# Altium PCB PCB_Banco.PcbDoc (part 2 of 2)
Units mm, origin at the board's own origin, x right, y up, seen from the top; angles counter-clockwise.
Board outline 80 x 80 mm, 4 copper layers (Top Layer, GND, Power, Bottom Layer), stack 1.512 mm thick; 168 components, 120 nets, 536 pads, 188 vias.
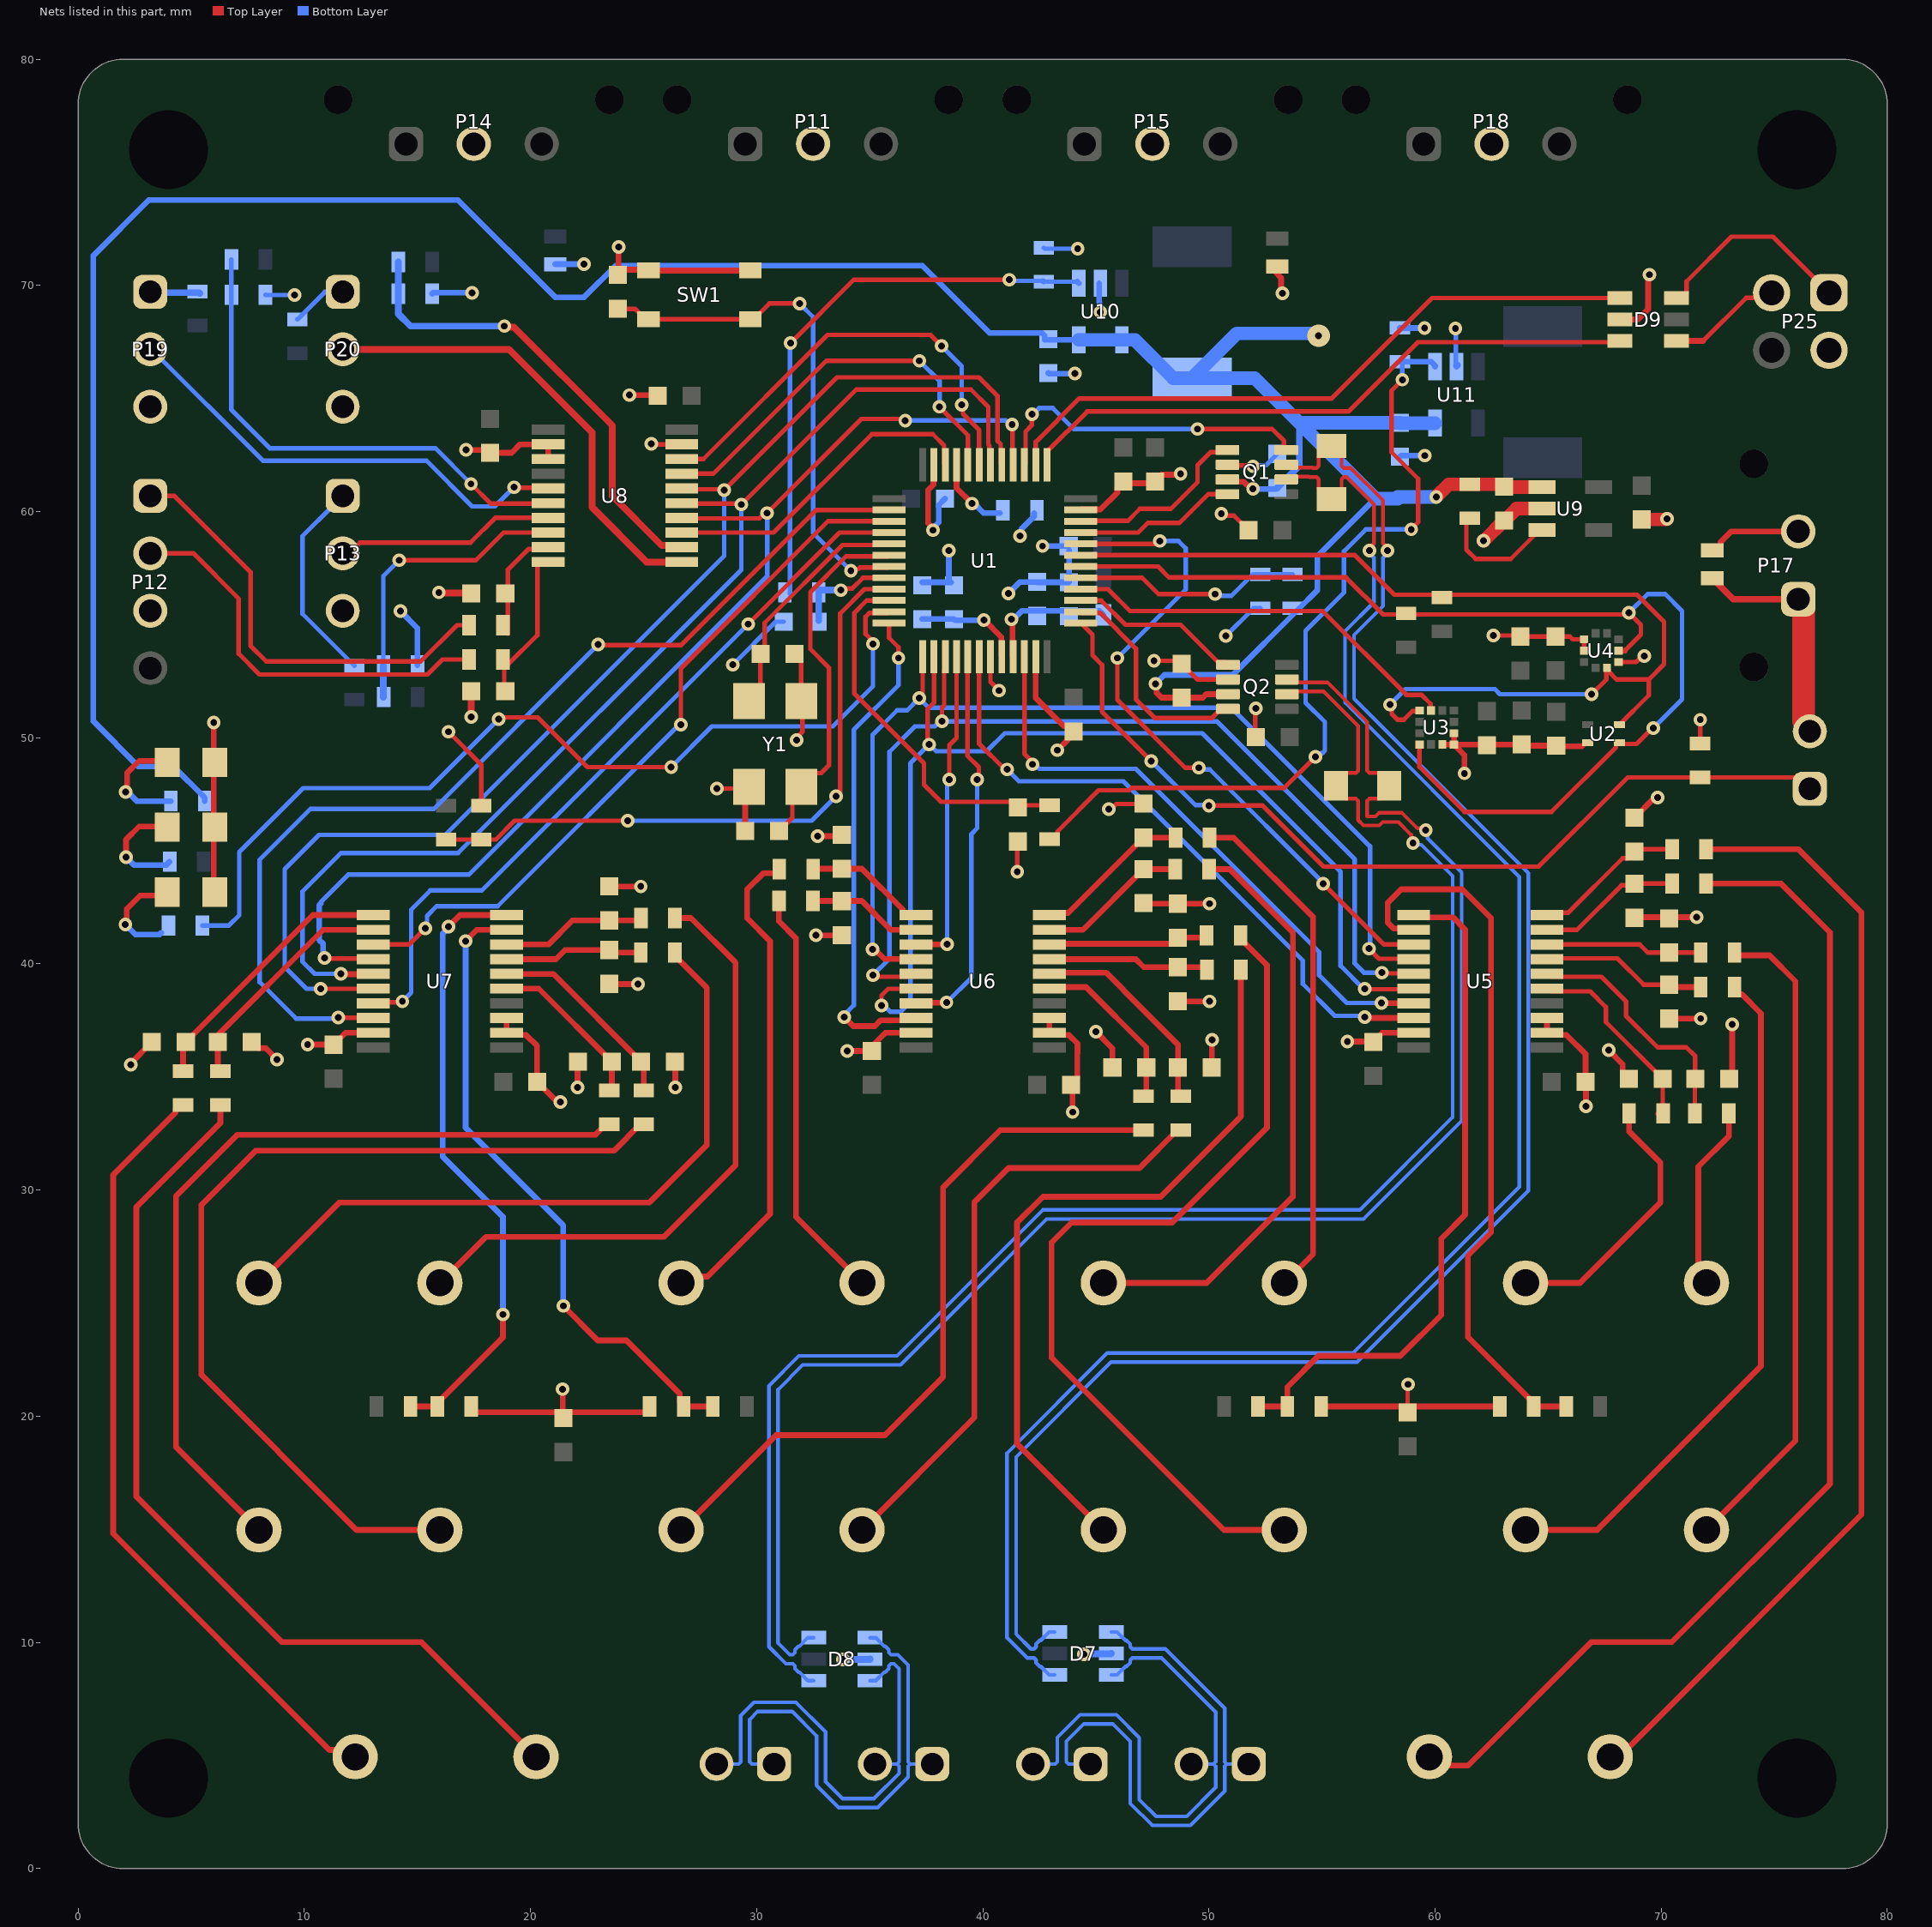
[diagram p4: the nets of this part, all layers, seen from the top]

## Via types
v1: diameter 0.6, hole 0.3, Top Layer to Bottom Layer, 186 vias
v2: diameter 1, hole 0.3, Top Layer to Bottom Layer, 2 vias

## Nets (pads, with @x,y where several pads share a name; then routed paths per layer and width w, separated by ;. In a path a pad name is that pad's centre, name@x,y a point inside that pad or via, vN(x,y) a via of type N, cw(c..) or ccw(c..) an arc to the next point about the centre after c; other vN are vias at no path point) (continued)
5V_Current-: C11.1 C13.1 C53.2 C54.2 C56.2 Q1.3 Q2.3 R6.1 R47.1 R48.2 R56.1 U9.1 U10.4 U10.5 U11.5 | length 134.5
  Top Layer w0.254: v1(47.641,52.387) 47.692,52.336 47.692,51.983 47.9,51.775 49.734,51.775 49.884,51.925 Q2.3@50.845,51.925 ; Q1.3@50.82,61.421 50.918,61.323 51.533,61.323 51.856,61 v1(51.95,61)
  Top Layer w0.6: v1(60.05,60.65) 60.606,61.206 62.957,61.206 C53.2@63.057,61.106 ; C53.2@63.157,61.081 U9.1@64.728,61.081
  Bottom Layer w0.254: R6.1@5.6,47.2 5.6,47.35 4.225,48.725 2.675,48.725 0.675,50.725 0.675,71.325 3.125,73.775 16.8,73.775 21.1,69.475 22.375,69.475 23.775,70.875 37.325,70.875 40.302,67.898 42.627,67.898 42.741,67.784 42.741,67.594 U10.5@44.252,67.594 ; v1(47.641,52.387) 48.029,52.775 51.05,52.775 53.925,55.65 54.8,56.525 54.8,58.025 57.35,60.575 ; v1(51.95,61) 52.975,61 C13.1@53.025,61.05
  Bottom Layer w0.3: C13.1@53.025,61.05 53.549,61.574 ; 53.556,61.574 54,62.018 54,63.639 54,63.925
  Bottom Layer w0.6: U10.5@44.252,67.594 U10.4@46.152,67.594 46.725,67.594 48.416,65.903 R56.1@49.266,65.903 ; 54.286,63.639 57.35,60.575 58.35,60.575 ; v2(54.85,67.775) 54.75,67.875 51.238,67.875 R56.1@49.266,65.903 ; 58.346,60.65 v1(60.05,60.65) ; U11.5@60,63.911 58.462,63.911 58.448,63.925 54.286,63.925 54,63.925 52.022,65.903 R56.1@49.266,65.903
+3V3_ASensing: C57.2 R54.1 U1.10 | length 16.5
  Top Layer w0.2: U1.10@35.856,56.072 34.872,56.072 34.325,55.525 34.325,51.95 37.4,48.875 37.4,47.925 38.161,47.164 C57.2@41.55,47.164 ; C57.2@41.55,46.912 41.65,47.012 R54.1@42.958,47.012
+3V3_VSensing: R49.1 R53.2 U1.9 | length 28.8
  Top Layer w0.2: R49.1@16.271,45.5 18.475,45.5 19.304,46.329 v1(24.305,46.329) ; v1(33.515,47.411) 33.7,47.596 33.7,55.5 34.772,56.572 U1.9@35.856,56.572
  Bottom Layer w0.2: v1(24.305,46.329) 32.433,46.329 v1(33.515,47.411)
+5V_ASensing: C55.2 R50.1 U1.8 | length 4.7
  Top Layer w0.2: v1(33.725,56.525) 33.802,56.602 34.236,56.602 34.706,57.072 U1.8@35.856,57.072
  Bottom Layer w0.3: C55.2@32.75,55.175 32.75,56.5 32.775,56.525 v1(33.725,56.525)
+5V_VSensing: R48.1 R52.2 U1.29 | length 10.1
  Top Layer w0.2: U1.29@44.332,57.072 47.053,57.072 47.775,56.35 v1(50.275,56.35)
  Bottom Layer w0.2: v1(50.275,56.35) 50.35,56.275 51,56.275 51.95,57.225 R48.1@53.7,57.225
BOOT0: R1.2 U1.45 | length 3.4
  Top Layer w0.254: U1.45@38.844,62.06 38.844,61.033 v1(39.523,60.354)
  Bottom Layer w0.254: v1(39.523,60.354) 39.616,60.354 40.036,59.934 R1.2@40.769,59.934
C+: C35.1 R29.1 U8.9 | length 5
  Top Layer w0.2: R29.1@19.001,54.6 19.001,57.428 19.919,58.346 20.714,58.346 U8.9@20.789,58.421
C-: C36.1 R32.1 U8.10 | length 7.1
  Top Layer w0.2: R32.1@18.789,53.607 R32.1@18.789,53.457 18.839,53.407 18.839,52.11 C36.1@18.889,52.06 ; R32.1@19.001,53.226 20.31,54.535 20.31,57.696 20.385,57.771 U8.10@20.789,57.771
CAN1_N: D7.4 Q1.6 R2.1 | length 78.4
  Top Layer w0.16: Q1.6@53.42,61.421 53.545,61.546 54.412,61.546 54.433,61.525 54.761,61.525 54.855,61.431 54.855,60.995 55.3,60.55 R2.1@55.425,60.55 ; R2.1@55.425,60.55 55.871,60.995 55.871,61.431 55.965,61.525 56.097,61.525 57.3,60.322 57.3,58.589 57.1,58.389 v1(57.1,58.275)
  Bottom Layer w0.16: D7.4@43.19,8.565 42.94,8.565 42.57,8.935 42.524,8.935 42.36,9.099 42.36,9.221 42.266,9.315 41.968,9.315 41.075,10.208 41.075,18.366 45.509,22.799 56.384,22.799 63.725,30.141 63.725,43.85 56.017,51.558 56.017,54.708 57.3,55.991 57.3,57.961 57.1,58.161 v1(57.1,58.275)
CAN1_P: D7.6 Q1.7 R2.2 | length 78.4
  Top Layer w0.16: Q1.7@53.42,62.071 53.545,61.946 54.578,61.946 54.599,61.925 54.761,61.925 54.855,62.019 54.855,62.455 55.3,62.9 R2.2@55.425,62.9 ; R2.2@55.425,62.9 55.871,62.455 55.871,62.019 55.965,61.925 56.263,61.925 57.7,60.488 57.7,58.589 57.9,58.389 v1(57.9,58.275)
  Bottom Layer w0.16: D7.6@43.19,10.465 42.94,10.465 42.57,10.095 42.524,10.095 42.36,9.931 42.36,9.809 42.266,9.715 42.134,9.715 41.475,10.374 41.475,18.2 45.674,22.399 56.549,22.399 64.125,29.975 64.125,44.016 56.417,51.724 56.417,54.542 57.7,55.825 57.7,57.961 57.9,58.161 v1(57.9,58.275)
CAN1C_N: D7.3 P21.2 P23.2 | length 24
  Bottom Layer w0.16: P21.2@42.23,4.625 43.206,4.625 43.3,4.719 43.3,5.796 44.304,6.8 45.916,6.8 46.925,5.791 46.925,3.05 47.667,2.308 49.017,2.308 50.3,3.591 50.3,4.531 50.206,4.625 ; D7.3@45.69,8.565 45.94,8.565 46.31,8.935 46.356,8.935 46.52,9.099 46.52,9.221 46.614,9.315 47.91,9.315 50.3,6.925 50.3,4.719 50.206,4.625 ; P23.2@49.23,4.625 50.206,4.625
CAN1C_P: D7.1 P21.1 P23.1 | length 24.6
  Bottom Layer w0.16: P21.1@44.77,4.625 43.794,4.625 43.7,4.719 43.7,5.63 44.47,6.4 45.75,6.4 46.525,5.625 46.525,2.884 47.501,1.908 49.183,1.908 50.7,3.425 50.7,4.531 50.794,4.625 ; D7.1@45.69,10.465 45.94,10.465 46.31,10.095 46.356,10.095 46.52,9.931 46.52,9.809 46.614,9.715 48.076,9.715 50.7,7.091 50.7,4.719 50.794,4.625 ; P23.1@51.77,4.625 50.794,4.625
CAN2_N: D8.4 Q2.6 R5.1 | length 74.8
  Top Layer w0.16: Q2.6@53.445,51.925 53.57,52.05 55.075,52.05 56.6,50.525 56.6,48.539 56.506,48.445 56.07,48.445 55.625,48 R5.1@55.625,47.875 55.625,47.75 56.07,47.305 56.506,47.305 56.6,47.211 56.6,46.359 56.834,46.125 57.535,46.125 57.69,46.28 58.378,46.28 58.945,45.713 58.945,45.43 v1(59.025,45.35)
  Bottom Layer w0.16: D8.4@32.522,8.311 32.272,8.311 31.902,8.681 31.856,8.681 31.692,8.845 31.692,8.967 31.598,9.061 31.3,9.061 30.55,9.811 30.55,21.347 31.872,22.669 36.203,22.669 42.659,29.125 56.675,29.125 60.775,33.225 60.775,43.883 59.388,45.27 59.105,45.27 v1(59.025,45.35)
CAN2_P: D8.6 Q2.7 R5.2 | length 74.8
  Top Layer w0.16: Q2.7@53.445,52.575 53.57,52.45 55.241,52.45 57,50.691 57,48.539 57.094,48.445 57.53,48.445 57.975,48 R5.2@57.975,47.875 57.975,47.75 57.53,47.305 57.094,47.305 57,47.211 57,46.525 57.369,46.525 57.524,46.68 58.544,46.68 59.227,45.996 59.51,45.996 v1(59.591,45.916)
  Bottom Layer w0.16: D8.6@32.522,10.211 32.272,10.211 31.902,9.841 31.856,9.841 31.692,9.677 31.692,9.555 31.598,9.461 31.466,9.461 30.95,9.977 30.95,21.181 32.038,22.269 36.369,22.269 42.825,28.725 56.841,28.725 61.175,33.059 61.175,44.049 59.671,45.552 59.671,45.835 v1(59.591,45.916)
CAN2C_N: D8.3 P22.2 P24.2 | length 21.3
  Bottom Layer w0.16: P22.2@28.23,4.625 29.206,4.625 29.3,4.719 29.3,6.766 29.884,7.35 31.741,7.35 33.05,6.041 33.05,3.85 33.8,3.1 35.19,3.1 36.3,4.21 36.3,4.531 36.206,4.625 ; D8.3@35.022,8.311 35.272,8.311 35.642,8.681 35.688,8.681 35.852,8.845 35.852,8.967 35.946,9.061 36.078,9.061 36.3,8.839 36.3,4.719 36.206,4.625 ; P24.2@35.23,4.625 36.206,4.625
CAN2C_P: D8.1 P22.1 P24.1 | length 22
  Bottom Layer w0.16: P22.1@30.77,4.625 29.794,4.625 29.7,4.719 29.7,6.6 30.05,6.95 31.575,6.95 32.65,5.875 32.65,3.684 33.634,2.7 35.356,2.7 36.7,4.044 36.7,4.531 36.794,4.625 ; D8.1@35.022,10.211 35.272,10.211 35.642,9.841 35.688,9.841 35.852,9.677 35.852,9.555 35.946,9.461 36.244,9.461 36.7,9.005 36.7,4.719 36.794,4.625 ; P24.1@37.77,4.625 36.794,4.625
CAN_1_STB: Q1.8 U1.39 | length 14.7
  Top Layer w0.2: U1.39@41.844,62.06 41.894,62.11 41.894,62.815 41.894,63.535 42.168,63.809 42.168,64.293 v1(42.175,64.3) ; v1(49.5,63.65) 52.8,63.65 53.321,63.129 53.321,62.82 Q1.8@53.42,62.721
  Bottom Layer w0.2: v1(42.175,64.3) 42.222,64.3 42.497,64.575 43.1,64.575 44.025,63.65 v1(49.5,63.65)
CS_ADC_1: U1.32 U5.13 | length 30.4
  Top Layer w0.2: U1.32@44.332,58.572 47.589,58.572 47.717,58.7 v1(47.825,58.7) ; v1(45.95,53.525) 45.95,51.675 48.95,48.675 v1(49.55,48.675) ; v1(55.05,43.55) 57.742,40.858 59.088,40.858 U5.13@59.101,40.871
  Bottom Layer w0.2: v1(45.95,53.525) 48.975,56.55 48.975,58.375 48.65,58.7 v1(47.825,58.7) ; v1(49.55,48.675) 49.627,48.598 50.039,48.598 54.973,43.664 54.973,43.627 v1(55.05,43.55)
CS_ADC_2: U1.16 U6.13 | length 14.4
  Top Layer w0.2: v1@38.525,48.226 38.525,49.675 38.844,49.994 U1.16@38.844,53.584
  Top Layer w0.254: U6.13@36.819,40.85 36.835,40.866 38.416,40.866 v1(38.425,40.875)
  Bottom Layer w0.2: v1@38.425,40.938 38.425,47.942 38.448,47.965 38.448,48.083 v1@38.425,48.106
  Bottom Layer w0.254: v1(38.425,40.875) v1@38.425,40.938
  other v1: 38.525,48.15
CS_ADC_3: U1.3 U7.13 | length 32.1
  Top Layer w0.2: U7.13@13.05,40.858 14.633,40.858 v1(15.35,41.575) ; v1(26.65,50.575) 26.65,53.066 33.156,59.572 34.407,59.572 U1.3@35.654,59.572
  Bottom Layer w0.2: v1(15.35,41.575) 15.427,41.652 15.427,42.127 15.85,42.55 18.55,42.55 26.575,50.575 v1(26.65,50.575)
CS_ADC_4: U1.46 U8.13 | length 14.5
  Top Layer w0.2: U8.13@26.689,59.071 30.75,59.071 35.104,63.425 37.791,63.425 38.294,62.922 38.294,62.11 U1.46@38.344,62.06
FDCAN1_RX: Q1.4 U1.33 | length 7.2
  Top Layer w0.2: U1.33@44.332,59.072 46.872,59.072 47.3,59.5 48.7,59.5 49.971,60.771 Q1.4@50.82,60.771
FDCAN1_TX: Q1.1 U1.34 | length 8.2
  Top Layer w0.2: U1.34@44.332,59.572 44.355,59.595 46.42,59.595 46.95,60.125 48.325,60.125 49.5,61.3 49.5,62.05 50.073,62.623 50.722,62.623 Q1.1@50.82,62.721
FDCAN2_RX: Q2.4 U1.26 | length 9.9
  Top Layer w0.2: U1.26@44.332,55.572 44.382,55.522 45.194,55.522 46.775,53.941 46.775,51.7 47.6,50.875 50.145,50.875 50.545,51.275 Q2.4@50.845,51.275
FDCAN2_TX: Q2.1 U1.27 | length 7.7
  Top Layer w0.2: U1.27@44.332,56.072 44.336,56.068 45.239,56.068 46.307,55 48.75,55 50.4,53.35 50.72,53.35 Q2.1@50.845,53.225
G1+: P13.2 U8.7 | length 9.7
  Top Layer w0.2: P13.2@11.7,58.156 11.998,58.156 12.467,58.625 17.35,58.625 18.446,59.721 U8.7@20.789,59.721
G1-: R30.1 R33.2 U8.8 | length 13.4
  Top Layer w0.2: v1(14.2,57.85) 17.591,57.85 18.812,59.071 U8.8@20.789,59.071
  Bottom Layer w0.2: R33.2@13.5,53.189 13.5,57.15 v1(14.2,57.85)
  Bottom Layer w0.3: R30.1@13.5,51.796 R33.2@13.5,53.189
G2+: P19.2 U8.5 | length 20.9
  Top Layer w0.2: v1(19.275,61.075) 19.302,61.048 20.762,61.048 U8.5@20.789,61.021
  Bottom Layer w0.2: P19.2@3.189,67.173 3.252,67.173 8.175,62.25 15.4,62.25 17.425,60.225 18.425,60.225 v1(19.275,61.075)
G2-: R35.1 R39.2 U8.6 | length 22.4
  Top Layer w0.2: v1(17.375,61.225) 18.252,60.348 20.766,60.348 U8.6@20.789,60.371
  Bottom Layer w0.2: R35.1@6.78,71.144 6.78,64.495 8.475,62.8 15.8,62.8 v1(17.375,61.225)
G3+: P20.2 U8.11 | length 20.8
  Top Layer w0.3: P20.2@11.7,67.173 19.052,67.173 22.725,63.5 22.725,60.186 25.14,57.771 U8.11@26.689,57.771
G3-: R37.1 R40.2 U8.12 | length 20.9
  Top Layer w0.3: v1(18.85,68.2) 18.893,68.157 19.268,68.157 23.625,63.8 23.625,60.683 25.812,58.496 26.614,58.496 U8.12@26.689,58.421
  Bottom Layer w0.3: R37.1@14.157,71.031 R40.2@14.157,69.634 14.157,68.743 14.7,68.2 v1(18.85,68.2)
GND: C1.2 C2.2 C3.1 C4.1 C5.1 C6.1 C7.1 C8.1 C9.1 C10.1 C11.2 C12.2 C13.2 C14.2 C15.2 C16.2 C17.2 C18.2 C19.2 C20.1 C21.1 C22.1 C23.1 C24.1 C25.2 C26.2 C27.2 C28.2 C29.2 C30.1 C31.1 C32.1 C33.1 C34.1 C35.2 C36.2 C37.1 C38.2 C39.1 C40.1 C41.1 C42.1 C43.2 C44.1 C45.2 C46.1 C47.2 C48.1 C49.2 C50.1 C51.2 C52.1 C53.1 C54.1 C55.1 C56.1 C57.1 C58.1 C59.1 D1.1 D2.1 D3.1 D4.2 D5.2 D6.2 D7.2 D8.2 D9.2 P11.2 P12.3 P13.3 P14.2 P15.2 P17.2 P18.2 P19.3 P20.3 P25.2 Q1.2 Q2.2 R1.1 R33.1 R34.1 R39.1 R40.1 R43.1 R46.1 R51.1 R52.1 R53.1 R55.1 RT1.1 RT2.1 SW1.2 U1.19 U1.23 U1.35 U1.47 U2.4 U3.6 U3.7 U3.8 U4.3 U4.8 U4.9 U5.2 U5.3 U5.19 U6.2 U6.3 U6.19 U7.2 U7.3 U7.19 U8.2 U8.3 U8.19 U9.2 U10.2 U11.2 Y1.2 Y1.4 | length 194.8
  Top Layer w0.2: v1(16.375,50.267) 17.825,48.817 R53.1@17.825,47 ; C41.1@21.425,20.183 21.425,19.945 C41.1@21.453,19.917 ; v1(25.35,63) 25.379,62.971 U8.19@26.689,62.971 ; v1(28.25,47.75) 29.6,47.75 Y1.2@29.675,47.825 ; v1(31.775,49.9) 31.775,50.008 32.025,50.258 32.025,51.575 Y1.4@31.975,51.625 C1.2@31.975,53.7 ; U1.19@40.344,53.584 40.344,52.468 v1(40.725,52.087) ; v1(41.525,44.075) 41.525,45.387 C57.1@41.55,45.412 ; v1(45.575,46.85) 45.683,46.85 45.904,47.071 C32.1@47.095,47.071 ; v1(47.575,53.4) 48.675,53.4 C11.2@48.8,53.275 49.5,52.575 Q2.2@50.845,52.575 ; v1(50.55,59.9) 50.627,59.823 51.102,59.823 C12.2@51.75,59.175 ; Q1.2@50.82,62.071 50.856,62.035 51.915,62.035 v1(51.95,62) ; C14.2@52.075,50.025 52.05,50.05 52.05,51.275 v1(52.075,51.3) ; C40.1@58.791,20.171 58.791,20.437 58.791,21.398 v1(58.803,21.41) ; v1(62.575,54.525) 63.721,54.525 C43.2@63.771,54.475 C42.1@65.325,54.475 65.965,54.475 66.09,54.35 U4.8@66.59,54.35 66.59,53.862 66.577,53.85 U4.9@66.59,53.85 ; U4.3@68.11,53.35 68.885,53.35 69.149,53.614 v1(69.258,53.614) ; R34.1@71.717,49.75 71.725,49.758 v1(71.725,50.8)
  Top Layer w0.25: U3.6@60.325,49.7 U3.7@60.837,49.7 ; U3.8@60.837,50.2 U3.7@60.837,49.7 ; v1(61.3,48.425) 61.3,49.237 60.925,49.612 60.925,49.625 U3.7@60.849,49.7 ; C39.1@63.829,49.65 C37.1@65.358,49.65 65.388,49.62 66.495,49.62 66.675,49.8 U2.4@66.824,49.8 ; C39.1@63.829,49.7 62.275,49.7 U3.7@60.849,49.7 ; U3.7@60.837,49.7 U3.7@60.849,49.7
  Top Layer w0.254: v1(2.325,35.55) 2.325,35.604 C16.2@3.267,36.546 ; D3.1@6,43.075 6,46.05 v1(6,50.675) ; C21.1@7.676,36.546 7.949,36.273 8.302,36.273 v1(8.8,35.775) ; v1(10.15,36.439) 11.281,36.439 C49.2@11.293,36.427 11.824,36.958 U7.19@13.05,36.958 ; v1(17.15,62.725) 18.079,62.725 C50.1@18.21,62.594 ; R46.1@17.389,20.437 17.389,20.356 17.562,20.183 C41.1@21.425,20.183 ; C50.1@18.278,62.601 19.176,62.601 19.546,62.971 U8.2@20.789,62.971 U8.3@20.789,62.321 ; U7.3@18.95,37.608 U7.2@18.95,36.958 19.048,36.86 19.81,36.86 20.298,36.372 C48.1@20.298,34.788 21.121,33.965 21.26,33.965 v1(21.326,33.899) ; v1(21.425,21.2) C41.1@21.425,20.183 ; v1(22.088,34.534) 22.088,35.665 C25.2@22.1,35.677 ; C29.2@23.485,39.118 23.497,39.106 v1(24.755,39.106) ; C34.1@23.485,43.424 v1(24.882,43.424) ; v1(23.9,71.7) 23.9,70.727 23.866,70.693 25.191,70.693 SW1.2@25.227,70.657 SW1.2@29.727,70.657 ; v1(24.375,65.15) 25.6,65.15 C51.2@25.625,65.125 ; RT2.1@25.275,20.437 25.275,20.356 25.102,20.183 C41.1@21.425,20.183 ; C30.1@26.394,35.677 26.406,35.665 v1(26.406,34.534) ; Y1.2@29.4,47.45 29.5,47.35 C2.2@29.5,45.875 ; v1(32.629,41.265) 33.76,41.265 C33.1@33.772,41.277 ; v1(32.7,45.65) 33.712,45.65 C28.2@33.772,45.71 ; v1(34.013,36.15) C44.1@35.1,36.15 ; C44.1@35.169,36.427 35.7,36.958 U6.19@37.05,36.958 ; v1(37.8,59.175) 37.8,59.269 37.582,59.487 37.582,60.948 37.821,61.187 37.821,62.037 U1.47@37.844,62.06 ; U1.23@42.344,53.584 42.344,51.756 43.302,50.798 43.575,50.525 ; U6.3@42.95,37.608 U6.2@42.95,36.958 43.048,36.86 43.81,36.86 44.186,36.484 44.186,36.058 44.181,36.053 44.181,34.934 C45.2@43.908,34.661 43.975,34.594 v1(43.975,33.45) ; v1(43.3,49.45) 43.752,49.902 43.752,50.002 43.997,50.247 C9.1@44.298,50.247 ; U1.35@44.332,60.072 44.355,60.095 45.205,60.095 45.95,60.84 45.95,61.061 C7.1@46.223,61.334 ; v1(45,37) 45.734,36.266 C19.2@45.734,35.423 ; C7.1@46.307,61.25 47.62,61.25 C8.1@47.62,61.334 47.92,61.634 48.709,61.634 v1(48.75,61.675) ; C27.2@47.107,42.686 47.131,42.662 C23.1@48.631,42.662 v1(50.028,42.662) ; C18.2@48.631,38.356 48.643,38.344 v1(50.028,38.344) ; C24.1@50.131,35.423 50.131,36.623 v1(50.148,36.64) ; D5.2@52.9,70.625 53.194,70.331 53.194,69.706 v1(53.25,69.65) ; RT1.1@54.969,20.437 58.791,20.437 R43.1@62.867,20.437 ; v1(56.124,36.566) 57.255,36.566 C46.1@57.267,36.554 57.671,36.958 U5.19@59.05,36.958 ; U5.3@64.95,37.608 U5.2@64.95,36.958 65.048,36.86 65.81,36.86 66.653,36.017 C47.2@66.653,34.788 ; C47.2@66.653,34.661 C47.2@66.653,34.788 ; v1(66.675,33.7) 66.675,34.766 C47.2@66.653,34.788 ; v1(67.681,36.185) 68.297,35.569 68.297,35.188 C26.2@68.57,34.915 ; D9.2@68.171,68.493 68.968,68.493 69.425,68.95 69.425,70.425 v1(69.475,70.475) ; C15.2@68.824,42.039 68.851,42.066 v1(71.567,42.066) ; C20.1@68.824,46.472 69.647,47.295 69.774,47.295 v1(69.84,47.361) ; C17.2@70.348,37.582 v1(71.745,37.582) ; D4.2@72.253,58.283 72.44,58.283 72.626,58.468 72.626,58.656 73.094,59.124 P17.2@76.063,59.124 ; C31.1@73.003,34.915 73.003,34.927 72.761,35.169 73.123,35.169 73.142,35.188 v1(73.142,37.328)
  Top Layer w0.3: v1(15.95,56.425) 15.974,56.401 17.365,56.401 C35.2@17.389,56.378 ; v1(17.389,50.917) C36.2@17.389,52.06
  Top Layer w0.6: v1(62.147,58.71) 62.161,58.71 C53.1@63.057,59.606 63.157,59.706 63.184,59.706 63.609,60.131 U9.2@64.728,60.131 ; C52.1@69.135,59.649 70.225,59.649 v1(70.257,59.681)
  Bottom Layer w0.2: R39.1@8.28,69.589 8.294,69.575 v1(9.575,69.575) ; v1(28.95,53.225) 30.85,55.125 C55.1@31.2,55.125 ; R51.1@42.706,71.658 42.739,71.625 v1(44.2,71.625) ; v1(50.75,54.5) 51.975,55.725 R52.1@52.275,55.725 ; v1(51.95,62) 52,62.05 52.525,62.05 C13.2@53.025,62.55 ; U11.2@60.925,66.436 v1@60.925,68.075
  Bottom Layer w0.254: v1(14.25,55.6) 15.004,54.846 15.004,53.204 R33.1@15.009,53.199 ; R40.1@15.657,69.634 15.698,69.675 v1(17.425,69.675) ; D6.2@21.1,70.937 v1(22.375,70.938) ; C58.1@37.328,56.874 38.598,56.874 38.5,56.972 v1(38.5,58.275) ; v1(37.8,59.175) 37.8,59.269 38.059,59.528 38.059,60.296 C10.1@38.332,60.569 ; v1(41.138,56.378) 41.646,56.886 C4.1@42.408,56.886 42.42,56.874 C5.1@43.805,56.874 43.817,56.886 C3.1@43.817,58.283 ; v1(41.646,58.918) 41.712,58.984 41.712,59.227 42.275,59.79 R1.1@42.275,59.928 ; v1(42.645,58.475) C3.1@43.8,58.475 ; C54.1@42.9,66.125 42.925,66.1 v1(44.075,66.1) ; U10.2@45.145,70.094 45.145,69.262 45.165,69.242 45.165,68.861 v1(45.202,68.824) ; C56.1@58.446,62.427 58.494,62.475 v1(59.55,62.475) ; R55.1@58.446,68.125 58.459,68.113 v1(59.537,68.113) ; v1(60.9,68.1) v1@60.925,68.075 ; U11.2@60.925,66.436 U11.2@60.95,66.411 U11.2@61.02,66.481
  Bottom Layer w0.3: v1(33.825,9.25) 33.83,9.255 35.016,9.255 D8.2@35.022,9.261 ; v1(44.475,9.475) 44.495,9.495 45.67,9.495 D7.2@45.69,9.515
INT0_ITDS: U1.28 U3.12 | length 17.9
  Top Layer w0.2: U1.28@44.332,56.572 45.542,56.572 46.514,55.6 55.025,55.6 58.725,51.9 59.4,51.9 59.801,51.499 59.801,51.225 U3.12@59.825,51.2
IRQ_1: U1.22 U5.17 | length 26.8
  Top Layer w0.2: U1.22@41.844,53.584 41.844,49.289 42.2,48.933 v1(42.2,48.825)
  Top Layer w0.254: v1(57.625,38.275) 57.634,38.266 59.105,38.266 U5.17@59.114,38.258
  Bottom Layer w0.2: v1(42.2,48.825) 42.308,48.825 42.508,48.625 46.775,48.625 54.875,40.525 54.875,39.5 56.1,38.275 v1(57.625,38.275)
IRQ_2: U1.17 U6.17 | length 17.7
  Top Layer w0.2: U1.17@39.325,53.565 39.325,49.2 39.827,48.698 39.827,48.227 v1(39.75,48.15)
  Top Layer w0.254: U6.17@36.82,38.249 36.85,38.279 38.379,38.279 v1(38.4,38.3) ; U1.17@39.325,53.565 U1.17@39.344,53.584
  Bottom Layer w0.2: v1(38.4,38.3) 39.5,39.4 39.5,45.749 39.75,45.999 v1(39.75,48.15)
IRQ_3: U1.4 U7.17 | length 33.7
  Top Layer w0.2: U7.17@12.955,38.237 13.019,38.301 14.298,38.301 v1(14.341,38.344) ; v1(29.625,55.025) 33.672,59.072 U1.4@35.856,59.072
  Bottom Layer w0.2: v1(14.341,38.344) 14.725,38.728 14.725,42.4 15.575,43.25 17.85,43.25 v1(29.625,55.025)
IRQ_4: U1.44 U8.17 | length 18.1
  Top Layer w0.2: U8.17@26.689,61.671 26.695,61.677 28.091,61.677 33.079,66.665 v1(37.201,66.665) ; v1(38.09,64.633) 39.344,63.379 U1.44@39.344,62.06
  Bottom Layer w0.2: v1(37.201,66.665) 38.09,65.776 v1(38.09,64.633)
LED_1: R8.1 U1.11 | length 41.8
  Top Layer w0.2: v1(18.6,50.825) 18.675,50.9 20.325,50.9 22.525,48.7 v1(26.225,48.7) ; v1(35.15,54.15) 35.15,54.258 34.818,54.59 34.818,55.346 34.994,55.522 35.806,55.522 U1.11@35.856,55.572
  Bottom Layer w0.2: R8.1@5.5,41.7 6.675,41.7 7.125,42.15 7.125,44.95 9.95,47.775 15.55,47.775 v1(18.6,50.825) ; v1(26.225,48.7) 28.025,50.5 33.375,50.5 35.15,52.275 v1(35.15,54.15)
MCLK_1: U1.18 U5.18 | length 28.7
  Top Layer w0.2: U1.18@39.844,53.584 39.844,49.732 40.976,48.6 v1(41.075,48.6)
  Top Layer w0.254: v1(56.886,37.648) 56.926,37.608 U5.18@59.114,37.608
  Bottom Layer w0.2: v1(41.075,48.6) 41.6,48.075 46.225,48.075 54.15,40.15 54.15,39.118 55.559,37.709 56.825,37.709 v1(56.886,37.648)
MCLK_2: U1.12 U6.18 | length 22.1
  Top Layer w0.2: U1.12@35.856,55.072 35.856,54.419 36.275,54 v1(36.275,53.525)
  Top Layer w0.254: v1(33.875,37.65) 34.275,37.25 35.234,37.25 35.494,37.51 36.952,37.51 U6.18@37.05,37.608
  Bottom Layer w0.2: v1(33.875,37.65) 33.875,37.744 34.3,38.169 34.3,50.35 36.275,52.325 v1(36.275,53.525)
MCLK_3: U1.2 U7.18 | length 45.3
  Top Layer w0.2: v1(11.5,37.625) 11.508,37.616 12.926,37.616 U7.18@12.948,37.595 ; v1(23,54.125) 23.033,54.092 26.66,54.092 32.64,60.072 U1.2@35.856,60.072
  Bottom Layer w0.2: v1(11.5,37.625) 11.457,37.582 9.642,37.582 8.025,39.199 8.025,44.6 10.278,46.853 15.728,46.853 v1(23,54.125)
MCLK_4: U1.43 U8.18 | length 19.9
  Top Layer w0.2: U8.18@26.689,62.321 27.65,62.321 33.137,67.808 37.692,67.808 v1(38.175,67.325) ; v1(39.075,64.725) 39.124,64.676 39.124,64.326 39.844,63.606 U1.43@39.844,62.06
  Bottom Layer w0.2: v1(38.175,67.325) 39.075,66.425 v1(39.075,64.725)
MISO_1: U1.14 U5.16 U6.16 | length 48.4
  Top Layer w0.2: v1(35.522,38.162) 35.523,38.163 35.523,38.609 35.818,38.904 37.046,38.904 U6.16@37.05,38.908 ; v1(37.625,49.7) 37.563,49.762 37.563,51.269 37.844,51.55 U1.14@37.844,53.584 ; v1(56.886,38.902) 56.907,38.881 59.023,38.881 U5.16@59.05,38.908
  Bottom Layer w0.2: v1(35.522,38.162) 35.63,38.162 35.902,37.889 36.389,37.889 36.801,38.301 36.801,48.876 v1(37.625,49.7) 37.642,49.7 37.942,49.4 40.175,49.4 40.975,50.2 49.7,50.2 55.825,44.075 55.825,39.913 56.836,38.902 v1(56.886,38.902)
MISO_3: U1.41 U7.16 U8.16 | length 56.3
  Top Layer w0.2: v1(10.725,38.9) 10.729,38.904 13.046,38.904 U7.16@13.05,38.908 ; U8.16@26.689,61.021 26.724,60.985 28.529,60.985 v1(28.565,60.95) 33.553,65.938 39.833,65.938 40.65,65.121 40.65,63.131 40.794,62.987 40.794,62.815 40.794,62.11 U1.41@40.844,62.06
  Bottom Layer w0.2: v1(10.725,38.9) 10.102,38.9 9.134,39.868 9.134,44.186 10.658,45.71 16.235,45.71 28.565,58.04 v1(28.565,60.95)
MOSI_1: U1.15 U5.15 U6.15 | length 45.6
  Top Layer w0.2: v1(35.15,39.5) 35.217,39.433 36.925,39.433 U6.15@37.05,39.558 ; v1(38.2,50.725) 38.2,51.342 38.294,51.436 38.294,52.829 38.294,52.998 U1.15@38.344,53.048 ; v1(57.648,39.614) 57.676,39.586 59.086,39.586 U5.15@59.114,39.558
  Bottom Layer w0.2: v1(35.15,39.5) 35.875,40.225 35.875,49.375 37,50.5 37.883,50.5 v1@38.108,50.725 ; v1(38.2,50.725) 50.347,50.725 56.45,44.622 56.45,40.017 56.853,39.614 v1(57.648,39.614)
MOSI_3: U1.42 U7.15 U8.15 | length 53.1
  Top Layer w0.2: U8.15@26.689,60.371 26.71,60.35 29.292,60.35 v1(29.327,60.315) 34.407,65.395 39.48,65.395 40.244,64.631 40.244,62.972 40.294,62.922 40.294,62.11 U1.42@40.344,62.06
  Top Layer w0.254: v1(11.617,39.56) 11.628,39.549 U7.15@12.944,39.549
  Bottom Layer w0.2: v1(11.617,39.56) 10.458,39.56 9.923,40.095 9.923,43.197 11.626,44.9 16.8,44.9 29.327,57.427 v1(29.327,60.315)
NetC58_2: C58.2 C59.2 U1.20 | length 4.7
  Top Layer w0.254: v1(40.05,55.2) 40.078,55.2 40.821,54.457 40.821,53.607 U1.20@40.844,53.584
  Bottom Layer w0.254: C58.2@37.328,55.247 C59.2@38.725,55.247 38.772,55.2 v1(40.05,55.2)
NetD1_2: D1.2 R6.2 | length 5
  Top Layer w0.254: v1(2.1,47.6) 2.166,47.666 2.166,48.441 2.7,48.975 D1.2@3.95,48.975
  Bottom Layer w0.254: v1(2.1,47.6) 2.194,47.6 2.594,47.2 R6.2@4.1,47.2
NetD2_2: D2.2 R7.2 | length 5
  Top Layer w0.254: v1(2.12,44.724) 2.12,45.495 2.7,46.075 D2.2@3.95,46.075
  Bottom Layer w0.254: v1(2.12,44.724) 2.47,44.375 3.9,44.375 R7.2@4.05,44.525
NetD3_2: D3.2 R8.2 | length 4.4
  Top Layer w0.254: v1@2.152,41.808 2.152,42.427 2.75,43.025 D3.2@3.875,43.025
  Bottom Layer w0.254: v1(2.09,41.746) 2.536,41.3 3.6,41.3 3.677,41.377
NetD4_1: D4.1 P16.2 P17.1 | length 10.2
  Top Layer w0.3: D4.1@72.253,57.058 73.187,56.124 P17.1@76.063,56.124
  Top Layer w0.8: P17.1@76.063,56.124 P17.1@76.3,55.887 ; P16.2@76.3,50.742 76.571,50.471 P16.2@76.571,50.282
  Top Layer w1: P16.2@76.3,50.742 P17.1@76.3,55.887
NetD9_4: D9.4 P25.3 | length 5.1
  Top Layer w0.2: 71.85,67.543 73.755,69.448 74.658,69.448 P25.3@74.88,69.67
  Top Layer w0.254: D9.4@70.671,67.543 71.85,67.543
NetD9_6: D9.6 P25.1 | length 9.2
  Top Layer w0.2: D9.6@70.671,69.443 70.921,69.443 71.121,69.643 71.121,70.171 73.1,72.15 74.94,72.15 P25.1@77.42,69.67
NetP1_1: P1.1 R9.2 | length 53.7
  Top Layer w0.254: P1.1@59.75,4.554 61.45,4.554 66.919,10.023 70.475,10.023 77.46,17.008 77.46,41.392 75.301,43.551 R9.2@72.114,43.551 ; R9.2@71.987,43.551 R9.2@72.114,43.424
NetP1_2: P1.2 R14.2 | length 50.4
  Top Layer w0.254: P1.2@67.75,4.554 78.857,15.661 78.857,42.281 76.063,45.075 R14.2@71.987,45.075
NetP2_1: P2.1 R10.2 | length 35.1
  Top Layer w0.254: R10.2@4.64,33.764 4.49,33.764 4.317,33.591 4.317,33.441 1.55,30.674 1.55,14.813 11.112,5.251 11.942,5.251 P2.1@12.25,4.943
NetP2_2: P2.2 R15.2 | length 41.3
  Top Layer w0.254: R15.2@6.291,33.764 6.291,32.966 2.575,29.25 2.575,16.455 9.007,10.023 15.17,10.023 P2.2@20.25,4.943
NetP3_1: P3.1 R11.2 | length 30.7
  Top Layer w0.254: P3.1@64,14.976 67.173,14.976 74.412,22.215 74.412,37.812 73.568,38.656 73.418,38.656 73.245,38.829 R11.2@73.245,38.979
NetP3_2: P3.2 R16.2 | length 29.3
  Top Layer w0.254: P3.2@72,14.976 75.936,18.912 75.936,39.233 74.793,40.376 73.372,40.376 R16.2@73.245,40.503 R16.2@73.245,40.353
NetP4_1: P4.1 R12.2 | length 33.5
  Top Layer w0.254: P4.1@45.333,14.976 41.519,18.79 41.519,28.565 42.662,29.708 47.869,29.708 51.413,33.252 R12.2@51.413,39.741
NetP4_2: P4.2 R17.2 | length 39.1
  Top Layer w0.254: R17.2@51.401,41.265 51.401,41.115 52.568,39.948 52.568,32.756 48.377,28.565 43.932,28.565 43.043,27.676 43.043,22.596 50.663,14.976 P4.2@53.333,14.976
NetP5_1: P5.1 R13.2 | length 32.7
  Top Layer w0.254: P5.1@26.667,14.976 30.858,19.167 35.677,19.167 38.25,21.74 38.25,30.122 40.781,32.653 R13.2@47.107,32.653
NetP5_2: P5.2 R18.2 | length 27
  Top Layer w0.254: P5.2@34.667,14.976 39.625,19.934 39.625,29.465 41.138,30.978 46.933,30.978 48.608,32.653 R18.2@48.758,32.653
NetP6_1: P6.1 R19.2 | length 36.7
  Top Layer w0.254: P6.1@8,14.976 4.325,18.651 4.325,29.725 7.05,32.45 22.878,32.45 23.335,32.907 R19.2@23.485,32.907
NetP6_2: P6.2 R24.2 | length 41.9
  Top Layer w0.254: P6.2@16,14.976 12.309,14.976 5.451,21.834 5.451,29.351 7.84,31.74 23.692,31.74 24.859,32.907 R24.2@25.009,32.907
NetP7_1: P7.1 R20.2 | length 12.3
  Top Layer w0.254: P7.1@64.279,26.177 P7.1@64,25.898 66.411,25.898 69.967,29.454 69.967,31.2 68.582,32.585 R20.2@68.582,33.391
NetP7_2: P7.2 R25.2 | length 8.2
  Top Layer w0.254: P7.2@72,25.898 72,26.37 71.641,26.729 71.641,31.041 73,32.4 73,33.382 R25.2@72.991,33.391
NetP8_1: P8.1 R21.2 | length 26.5
  Top Layer w0.254: P8.1@45.333,25.898 49.901,25.898 53.711,29.708 53.711,41.392 50.917,44.186 R21.2@50.016,44.186
NetP8_2: P8.2 R26.2 | length 22.7
  Top Layer w0.254: R26.2@50.028,45.583 51.092,45.583 54.611,42.064 54.611,27.175 P8.2@53.333,25.898
NetP9_1: P9.1 R22.2 | length 21.8
  Top Layer w0.254: P9.1@26.667,25.898 26.948,26.179 27.83,26.179 30.597,28.946 30.597,41.011 29.581,42.027 29.581,43.297 30.289,44.005 30.829,44.005 31.002,44.178 R22.2@31.002,44.186
NetP9_2: P9.2 R27.2 | length 18.4
  Top Layer w0.254: R27.2@30.99,42.789 30.99,41.888 31.74,41.138 31.74,28.825 P9.2@34.667,25.898
NetP10_1: P10.1 R23.2 | length 31.4
  Top Layer w0.254: P10.1@8,25.898 11.556,29.454 25.263,29.454 27.803,31.994 27.803,38.932 26.382,40.353 R23.2@26.382,40.503
NetP10_2: P10.2 R28.2 | length 27.7
  Top Layer w0.254: P10.2@16,25.898 18.032,27.93 25.898,27.93 29.073,31.105 29.073,40.051 27.097,42.027 R28.2@26.394,42.027
NetP12_1: P12.1 R29.2 | length 19.7
  Top Layer w0.2: P12.1@3.189,60.696 4.251,60.696 7.625,57.322 7.625,54.07 8.322,53.373 15.148,53.373 16.756,54.981 R29.2@17.289,54.981
NetP12_2: P12.2 R32.2 | length 18.1
  Top Layer w0.2: P12.2@3.189,58.156 5.094,58.156 7.1,56.15 7.1,53.72 8.022,52.798 15.448,52.798 16.107,53.457 R32.2@17.289,53.457 ; R32.2@17.339,53.407 R32.2@17.389,53.457
NetP13_1: P13.1 R31.1 | length 9.2
  Bottom Layer w0.2: P13.1@11.7,60.696 11.254,60.251 9.925,58.921 9.925,55.481 R31.1@12.219,53.187
NetP19_1: P19.1 R36.1 | length 2.4
  Top Layer w0.3: P19.1@3.027,69.875 P19.1@3.189,69.713
  Bottom Layer w0.3: P19.1@3.189,69.713 3.224,69.678 5.341,69.678 R36.1@5.376,69.643
NetP20_1: P20.1 R38.1 | length 2.5
  Bottom Layer w0.2: R38.1@9.7,68.5 10.913,69.713 P20.1@11.7,69.713
NetR47_2: R47.2 U9.3 | length 5.1
  Top Layer w0.2: R47.2@61.533,59.706 61.383,59.556 61.383,58.317 61.796,57.904 63.346,57.904 U9.3@64.428,58.986
NetR50_2: R50.2 R51.2 U10.1 | length 24.9
  Top Layer w0.2: v1(31.5,67.45) 34.3,70.25 v1(41.175,70.25)
  Bottom Layer w0.2: R50.2@31.475,56.369 31.475,67.425 v1(31.5,67.45) ; v1@41.174,70.196 R51.2@42.668,70.196 ; R51.2@42.848,70.166 U10.1@44.18,70.166
  Bottom Layer w0.254: v1@41.144,70.226 v1@41.174,70.196 ; R51.2@42.668,70.196 R51.2@42.698,70.166 ; U10.1@44.18,70.166 U10.1@44.252,70.094
NetR54_2: R54.2 R55.2 U11.1 | length 37.1
  Top Layer w0.2: R54.2@42.958,45.512 43.108,45.512 43.308,45.712 43.308,45.862 45.121,47.675 46.475,47.675 46.583,47.783 53.334,47.783 v1(54.712,49.161) ; v1(58.553,65.828) 58.075,65.351 58.075,62.628 59.25,61.453 59.25,59.533 58.95,59.233 v1(58.95,59.211)
  Bottom Layer w0.2: v1(54.712,49.161) 54.82,49.161 54.972,49.313 55.008,49.313 55.125,49.43 55.125,50.7 54.275,51.55 54.275,54.725 55.975,56.425 55.975,58.249 56.938,59.211 v1(58.95,59.211) ; R55.2@58.421,66.65 R55.2@58.446,66.625 58.553,66.519 v1(58.553,65.828)
  Bottom Layer w0.254: R55.2@58.446,66.625 59.827,66.625 60,66.452 U11.1@60,66.411
NRST: C6.2 SW1.1 U1.7 | length 23
  Top Layer w0.2: C6.2@23.866,68.963 24.621,68.963 25.077,68.507 SW1.1@25.227,68.507 29.877,68.507 30.57,69.2 v1(31.9,69.2) ; v1(34.17,57.384) 34.247,57.461 34.505,57.461 34.567,57.522 35.806,57.522 U1.7@35.856,57.572
  Bottom Layer w0.2: v1(31.9,69.2) 32.5,68.6 32.5,59.054 v1(34.17,57.384)
OSC_IN: C1.1 U1.5 Y1.1 | length 10.1
  Top Layer w0.2: Y1.1@29.675,51.625 30.175,52.125 30.175,52.875 C1.1@30.175,53.7 30.358,53.883 30.358,55.083 33.797,58.522 35.218,58.522 U1.5@35.296,58.6
OSC_OUT: C2.1 U1.6 Y1.3 | length 16
  Top Layer w0.2: C2.1@31,45.875 31.583,46.458 31.583,47.433 Y1.3@31.975,47.825 ; Y1.3@31.975,48.238 32.169,48.433 32.858,48.433 33.2,48.775 33.2,53.1 32.375,53.925 32.375,56.438 33.959,58.022 35.806,58.022 U1.6@35.856,58.072
RT1+: R42.1 RT1.2 U5.11 | length 30.2
  Top Layer w0.254: R42.1@52.175,20.437 RT1.2@53.469,20.437 53.469,21.292 54.846,22.669 58.469,22.669 60.275,24.475 60.275,27.85 61.331,28.906 61.331,41.519 60.79,42.06 59.212,42.06 U5.11@59.114,42.158
RT1-: R41.1 R43.2 U5.12 | length 32.1
  Top Layer w0.254: U5.12@59.114,41.508 59.063,41.559 58.185,41.559 57.902,41.842 57.902,42.695 58.504,43.297 61.204,43.297 62.474,42.027 62.474,28.124 61.45,27.1 61.45,23.504 64.517,20.437 R41.1@65.8,20.437
RT2+: R45.1 RT2.2 U7.9 | length 28.6
  Top Layer w0.254: v1(17.135,41.011) 17.632,41.508 U7.9@18.95,41.508 ; v1(21.453,24.882) 22.977,23.358 24.247,23.358 26.602,21.003 26.602,20.61 RT2.2@26.775,20.437 R45.1@28.069,20.437
  Bottom Layer w0.254: v1(17.135,41.011) 17.135,32.756 21.453,28.438 v1(21.453,24.882)
RT2-: R44.1 R46.2 U7.10 | length 27.6
  Top Layer w0.254: R44.1@14.698,20.437 R46.2@15.889,20.437 15.889,20.587 18.786,23.484 v1(18.786,24.501) ; v1(16.373,41.646) 16.885,42.158 U7.10@18.95,42.158
  Bottom Layer w0.254: v1(16.373,41.646) 16.373,41.578 16.119,41.324 16.119,31.486 18.786,28.819 v1(18.786,24.501)
SCK_1: U1.13 U5.14 U6.14 | length 45.4
  Top Layer w0.2: v1(37.194,51.75) 37.194,51.858 37.344,52.008 U1.13@37.344,53.584 ; v1(57.076,40.676) 57.523,40.228 U5.14@59.093,40.228
  Top Layer w0.254: v1(35.125,40.65) 35.219,40.65 35.652,40.216 36.802,40.216 U6.14@36.811,40.208
  Bottom Layer w0.2: v1(35.125,40.65) 35.125,50.125 36.216,51.216 36.659,51.216 v1(37.194,51.75) 37.619,51.325 51,51.325 57.125,45.2 57.125,40.725 v1(57.076,40.676)
SCK_3: U1.40 U7.14 U8.14 | length 51.5
  Top Layer w0.2: v1(10.901,40.26) 10.927,40.234 12.909,40.234 U7.14@12.935,40.208 ; U8.14@26.689,59.721 26.709,59.7 30.128,59.7 30.362,59.934 v1(30.47,59.934) 34.629,64.093 36.507,64.093 v1(36.575,64.025) ; v1(41.3,63.85) 41.322,63.828 41.322,62.082 U1.40@41.344,62.06
  Bottom Layer w0.2: 10.728,42.662 10.728,42.732 11.946,43.95 17.28,43.95 30.47,57.14 v1(30.47,59.934) ; v1(36.575,64.025) 41.017,64.025 41.192,63.85 v1(41.3,63.85)
  Bottom Layer w0.254: 10.728,42.662 10.658,42.592 10.658,41.068 10.835,40.89 10.835,40.326 v1(10.901,40.26)
SCL: R3.1 U1.31 U2.2 U3.1 U4.2 | length 47.1
  Top Layer w0.2: U1.31@44.332,58.072 56.453,58.072 58.2,56.325 68.925,56.325 70.125,55.125 70.125,53.25 69.45,52.575 ; v1(58.008,51.463) 58.085,51.386 58.085,51.05 58.335,50.8 58.626,50.8 59.001,51.175 59.288,51.175 U3.1@59.313,51.2 ; v1(66.925,51.925) 67.575,52.575 67.575,53.015 U4.2@67.625,53.065 ; U4.2@67.6,53.077 U4.2@67.6,53.09 ; U4.2@67.675,53.002 67.675,52.931 68.031,52.575 69.45,52.575 ; U2.2@68.15,50.575 69.45,51.875 69.45,52.575
  Bottom Layer w0.2: v1(58.008,51.463) 58.695,52.15 62.643,52.15 62.868,51.925 v1(66.925,51.925)
SDA: R4.1 U1.30 U2.1 U3.4 U4.4 | length 50.1
  Top Layer w0.2: U1.30@44.332,57.572 47.753,57.572 48.238,57.087 56.063,57.087 57.7,55.45 68.5,55.45 v1(68.575,55.525) 69.104,54.996 69.104,54.557 68.422,53.875 ; U3.4@59.313,49.7 59.313,48.712 61.3,46.725 65.15,46.725 68,49.575 68,49.725 68.15,49.725 68.908,49.725 69.608,50.425 v1(69.65,50.425) ; U4.4@68.11,53.85 68.135,53.825 68.422,53.825
  Bottom Layer w0.2: v1(68.575,55.525) 69.4,56.35 70.175,56.35 70.925,55.6 70.925,51.7 v1(69.65,50.425)
SWCLK: D9.1 U1.38 | length 30.1
  Top Layer w0.2: U1.38@42.344,62.06 42.344,63.076 44.268,65 55.425,65 59.868,69.443 D9.1@68.171,69.443 ; D9.1@67.998,69.578 D9.1@68.399,69.578
  Top Layer w0.254: D9.1@67.998,69.616 D9.1@68.171,69.443
SWDIO: D9.3 U1.37 | length 27.9
  Top Layer w0.2: U1.37@42.845,62.649 44.621,64.425 56.17,64.425 59.238,67.493 D9.3@68.171,67.493
  Top Layer w0.254: U1.37@42.844,62.06 U1.37@42.844,62.647
TP_1+: C15.1 R9.1 U5.9 | length 6.3
  Top Layer w0.2: U5.9@65.014,41.508 66.273,41.508 68.241,43.476 68.761,43.476 68.836,43.551 R9.1@70.487,43.551
TP_1-: C20.2 R14.1 U5.10 | length 6.7
  Top Layer w0.2: U5.10@65.014,42.158 65.118,42.262 65.884,42.262 68.297,44.675 68.527,44.675 68.927,45.075 R14.1@70.487,45.075
TP_2+: C16.1 R10.1 U7.11 | length 11.9
  Top Layer w0.254: R10.1@4.64,35.264 4.64,36.419 C16.1@4.767,36.546 10.379,42.158 U7.11@13.05,42.158
TP_2-: C21.2 R15.1 U7.12 | length 10.3
  Top Layer w0.254: C21.2@6.023,36.698 10.833,41.508 U7.12@13.05,41.508 ; C21.2@6.176,36.546 6.176,35.379 R15.1@6.291,35.264
TP_3+: C17.1 R11.1 U5.7 | length 7.3
  Top Layer w0.2: U5.7@65.014,40.208 65.055,40.249 68.062,40.249 69.229,39.082 C17.1@70.348,39.082
  Top Layer w0.254: C17.1@70.348,39.082 70.451,38.979 R11.1@71.745,38.979
TP_3-: C22.2 R16.1 U5.8 | length 6.9
  Top Layer w0.2: U5.8@65.014,40.858 69.052,40.858 69.407,40.503 C22.2@70.348,40.503 R16.1@71.745,40.503
TP_4+: C18.1 R12.1 U6.7 | length 7.2
  Top Layer w0.254: U6.7@42.95,40.208 46.767,40.208 47.119,39.856 C18.1@48.631,39.856 49.798,39.856 R12.1@49.913,39.741
TP_4-: C23.2 R17.1 U6.8 | length 7.1
  Top Layer w0.254: U6.8@42.95,40.858 42.981,40.889 48.358,40.889 C23.2@48.631,41.162 49.798,41.162 R17.1@49.901,41.265
TP_5+: C19.1 R13.1 U6.5 | length 7.6
  Top Layer w0.254: U6.5@42.977,38.979 44.567,38.979 47.234,36.312 C19.1@47.234,35.423 47.234,34.28 R13.1@47.107,34.153
TP_5-: C24.2 R18.1 U6.6 | length 9.4
  Top Layer w0.254: U6.6@42.887,39.614 42.889,39.616 44.572,39.616 44.574,39.614 45.456,39.614 46.98,38.09 48.631,36.439 C24.2@48.631,35.423 48.631,34.28 R18.1@48.758,34.153
TP_6+: C25.1 R19.1 U7.5 | length 7.3
  Top Layer w0.254: U7.5@18.95,38.908 20.369,38.908 C25.1@23.6,35.677 23.6,34.522 R19.1@23.485,34.407
TP_6-: C30.2 R24.1 U7.6 | length 8.9
  Top Layer w0.254: U7.6@18.95,39.558 21.013,39.558 C30.2@24.894,35.677 25.009,35.562 R24.1@25.009,34.407
TP_7+: C26.1 R20.1 U5.5 | length 8.7
  Top Layer w0.2: U5.5@65.014,38.908 65.139,38.783 66.861,38.783 67.554,38.09 67.554,37.431 C26.1@70.07,34.915 R20.1@70.07,33.482 ; R20.1@69.84,33.379 R20.1@69.943,33.482
TP_7-: C31.2 R25.1 U5.6 | length 10.9
  Top Layer w0.2: U5.6@65.014,39.558 65.139,39.433 67.354,39.433 68.443,38.344 68.443,37.709 69.84,36.312 71.11,36.312 71.503,35.919 C31.2@71.503,34.915 71.491,34.903 R25.1@71.491,33.391
TP_8+: C27.1 R21.1 U6.9 | length 6.7
  Top Layer w0.254: U6.9@42.95,41.508 44.429,41.508 C27.1@47.107,44.186 R21.1@48.516,44.186
TP_8-: C32.2 R26.1 U6.10 | length 7
  Top Layer w0.254: U6.10@42.95,42.158 43.048,42.256 43.78,42.256 C32.2@47.107,45.583 R26.1@48.528,45.583
TP_9+: C28.1 R22.1 U6.11 | length 5.7
  Top Layer w0.254: R22.1@32.502,44.186 32.526,44.21 C28.1@33.772,44.21 34.661,44.21 36.452,42.419 36.452,42.256 36.554,42.154 U6.11@37.254,42.154
TP_9-: C33.2 R27.1 U6.12 | length 5.1
  Top Layer w0.254: R27.1@32.49,42.789 33.76,42.789 C33.2@33.772,42.777 ; C33.2@33.772,42.789 34.649,42.789 35.93,41.508 U6.12@37.05,41.508
TP_10+: C29.1 R23.1 U7.7 | length 6.1
  Top Layer w0.254: U7.7@18.95,40.208 21.126,40.208 21.536,40.618 C29.1@23.485,40.618 23.6,40.503 R23.1@24.882,40.503
TP_10-: C34.2 R28.1 U7.8 | length 6.4
  Top Layer w0.254: U7.8@18.95,40.858 20.792,40.858 21.858,41.924 C34.2@23.485,41.924 24.791,41.924 R28.1@24.894,42.027
TRANSDUCER: P16.1 R34.2 U1.25 | length 40.3
  Top Layer w0.2: U1.25@44.332,55.072 44.85,54.554 44.85,53.65 45.277,53.223 45.277,51.148 v1(47.453,48.972) ; v1(50,47) 52.375,47 55.075,44.3 64.575,44.3 68.525,48.25 R34.2@71.717,48.25 75.929,48.25 76.437,47.742 P16.1@76.571,47.742
  Bottom Layer w0.2: v1(47.453,48.972) 49.4,47.025 49.975,47.025 v1(50,47)
VDDA: C4.2 C5.2 FB1.2 U1.21 | length 6
  Top Layer w0.254: v1(41.265,55.235) 41.321,55.179 41.321,53.607 U1.21@41.344,53.584
  Bottom Layer w0.254: v1(41.265,55.235) 41.359,55.235 41.74,55.616 45.139,55.616 FB1.2@45.329,55.426
pads on no net: D7.5 D8.5 D9.5 P11.MH1 P11.MH2 P14.MH1 P14.MH2 P15.MH1 P15.MH2 P17.MH1 P17.MH2 P18.MH1 P18.MH2 Q2.8 U3.5 U3.11 U4.7 U9.4

## Polygon pours and split planes (outlines as drawn)
5V_Current+ on Bottom Layer "NONET_L-01_P-001" (solid, pour order 1): 19.925,71.725 19.925,73.7 10.658,73.7 10.658,79.492 67.825,79.492 67.825,71.725
3V3_Current+ on Bottom Layer "NONET_L-01_P-001" (solid, pour order 3): 67.681,71.45 62.601,71.45 62.601,68.316 61.458,67.173 61.458,65.649 67.681,65.649
3V3 on Power "NONET_L-01_P-001" (solid, pour order 5): 0.725,72.55 0.725,33.1 79.15,33.1 79.15,72.55
3V3_Current+ on Power "NONET_L-01_P-001" (solid, pour order 2): 11.119,71.817 11.119,79.31 68.269,79.31 68.269,66.483 58.617,66.483 58.617,71.182 57.982,71.817
3V3_Current- on Top Layer "NONET_L-01_P-001" (solid, pour order 6): 65.675,53.6 65.89,53.385 65.89,50.613 61.462,50.613 59.625,52.45 59.625,54.725 60.4,54.725 61.41,53.6
3V3_Current- on Top Layer "3V3_CURRENT-_L01_P004" (solid, pour order 4): 61.275,53.6 61.275,50.475 66,50.475 65.975,50.5 65.975,53.6 62.425,53.6
GND on GND "Ground plane" (solid, pour order 8): 0.5,2 0.5,77.5 cw(c2.5,77.5) 2.5,79.5 77.5,79.5 cw(c77.75,77.75) 79.5,78 79.5,2.5 cw(c77.5,2.5) 77.5,0.5 2.5,0.5 cw(c2.25,2.25)

## Silkscreen, mask and mechanical layers (free items; w line width, h text height)
Top Overlay:
  lines w0.1: 2.725,41.875 2.725,44.35 7.275,44.35 7.275,41.875 2.725,41.875 ; 2.725,44.775 2.725,47.25 7.275,47.25 7.275,44.775 2.725,44.775 ; 2.725,47.675 2.725,50.15 7.275,50.15 7.275,47.675 2.725,47.675
  text "5V" at 58.686,73.007 h1.1
  text "GND" at 61.537,73.007 h1
  text "3V3" at 64.824,73.007 h1.1
  text "5V" at 13.661,72.957 h1.1
  text "GND" at 16.512,72.957 h1
  text "3V3" at 19.799,72.957 h1.1
  text "5V" at 28.686,72.957 h1.1
  text "GND" at 31.537,72.957 h1
  text "3V3" at 34.824,72.957 h1.1
  text "5V" at 43.736,72.957 h1.1
  text "GND" at 46.587,72.957 h1
  text "3V3" at 49.874,72.957 h1.1
  text "SWDIO" at 73.506,71.11 h0.9
  text "SWDCLK" at 76.125,71.099 h0.9
  text "5V" at 53.956,68.15 h1
  text "PROGRAMMING CONNECTOR" at 73.452,66.555 h0.7 r90
  text "RESET" at 25.588,66.252 h1
  text "GND" at 76.151,64.492 h0.9
  text "3V3" at 73.56,64.469 h0.9
  text "3V3" at 67.7,63.356 h1 r90
  text "GND    MID    TOP" at 8.139,63.1 h1 r90
  text "GND    MID    TOP" at 16.664,63.1 h1 r90
  text "GND    MID    TOP" at 16.664,54.075 h1 r90
  text "3V3    GND    D+    D-" at 8.164,51.55 h1 r90
  text "5V" at 7.307,48.138 h1
  text "3V3" at 7.307,45.237 h1
  text "Test LED" at 7.307,42.362 h1
  text "Termopar 1" at 3.9,29.861 h1.2
  text "Termopar 2" at 32.8,29.861 h1.2
  text "Termopar 3" at 41.2,29.861 h1.2
  text "Termopar 4" at 70.129,29.861 h1.2
  text "Termopar 6" at 32.791,18.963 h1.2
  text "Termopar 8" at 70.129,18.963 h1.2
  text "Termopar 5" at 3.9,18.961 h1.2
  text "Termopar 7" at 41.2,18.961 h1.2
  text "Termopar 9" at 8.122,8.549 h1.2
  text "Termopar 10" at 55.622,8.549 h1.2
  text "CAN-N  CAN-P" at 26.693,7.187 h0.9
  text "CAN-N  CAN-P" at 33.693,7.187 h0.9
  text "CAN-N  CAN-P" at 40.693,7.187 h0.9
  text "CAN-N  CAN-P" at 47.693,7.187 h0.9
Mechanical 1:
  the board outline again, w0.254